# Altium PCB CalibradorDePlacas.PcbDoc (continued)
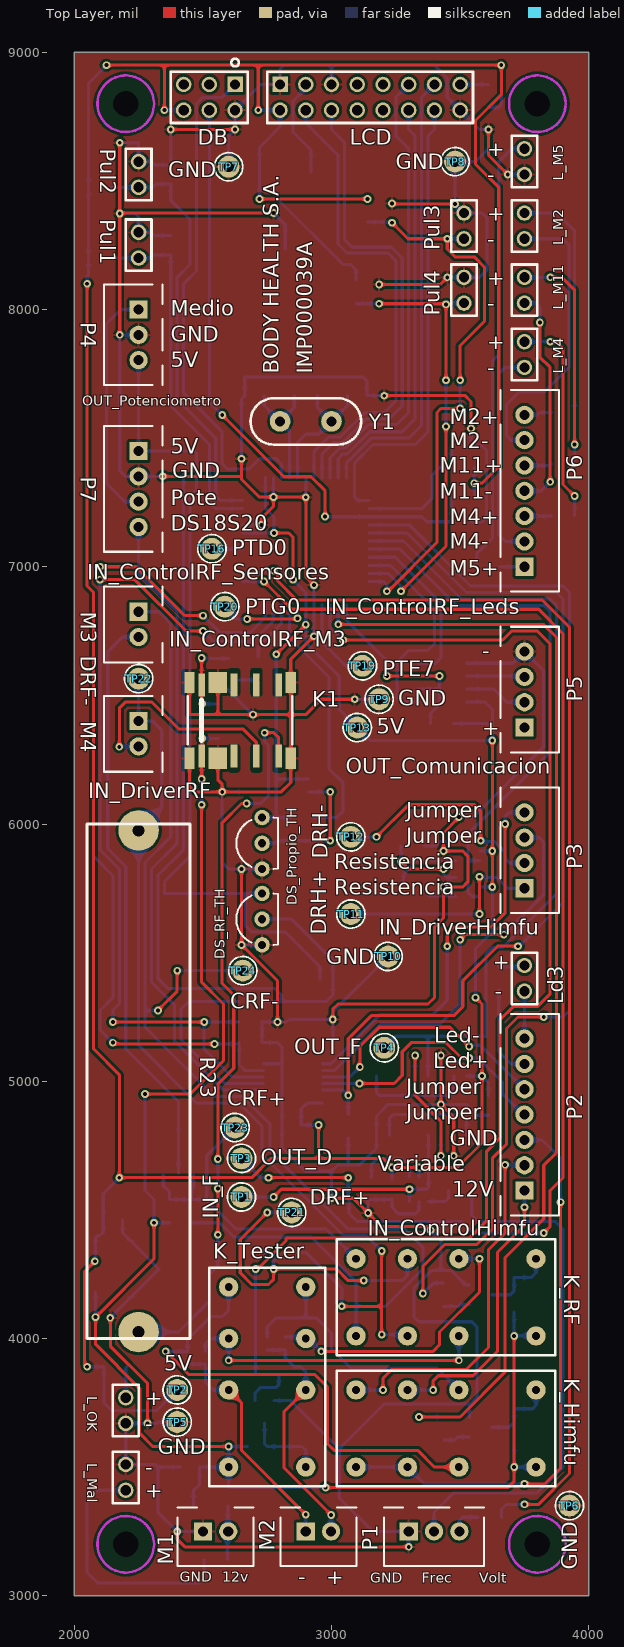
[diagram p0: Top Layer view]
## Nets (pads, with @x,y where several pads share a name; then routed paths per layer and width w, separated by ;. In a path a pad name is that pad's centre, name@x,y a point inside that pad or via, vN(x,y) a via of type N, cw(c..) or ccw(c..) an arc to the next point about the centre after c; other vN are vias at no path point) (continued)
  Bottom Layer w12: v1(2082.83,4082.83) U1.1 ; v3(2275,4950) 2275,4575 2310,4540 v1(2310,4450) R32.2 ; D1.2 2463.07,3408.07 2487.4,3432.4 C2.2 K_Tester.16 ; v1(2495,6075) 2495,6165 v1@2500,6170 ; v1(2496.93,6333.07) D6.2 ; D4.2 v1(2600,3580) K_Tester.16 ; v1(2977,3421) 2604,3421 2600,3425 K_Tester.16 ; D3.2 v1(3710,3500) K_Himfu.16 ; D2.2 v1(3710,4010) K_RF.16
-RE/DE: R15.1 U5.12 U6.2 U6.3 | length 917.7
  Top Layer w12: v1(3215,6575) v1(3420,6575)
  Bottom Layer w12: U5.12 3057.48,6792.52 3215,6635 v1(3215,6575) ; U6.2 3420,6525 ; U6.3 v1(3420,6575) 3420,6525 ; R15.1 3385,6430 3420,6465 3420,6525
BKGD: DB.1 U5.36 | length 1981.2
  Bottom Layer w12: DB.1 2575,8825 2500,8825 2475,8800 2475,8150 2425,8100 2425,7675 2575,7525 2575,7400 2595,7380 2680,7380 2720,7420 2785,7420 2805.51,7399.49 U5.36
CONTROL_RF_+: K_RF.8 R32.1 R33.2 TP23.1 U9.1 U9.3 | length 1350.3
  Bottom Layer w12: U9.3 2345.94,4594.06 2370,4570 R32.1 R33.2 ; U9.1 2464.06,4589.06 2455,4580 R33.2 ; TP23.1 2515,4710 2515,4540 ; K_RF.8 2980,4425 2630,4425 2515,4540 ; R33.2 2515,4540
CONTROL_RF_-: K_RF.9 M3.1 R33.1 TP24.1 | length 5092.1
  Top Layer w12: v1(2325,5275) 2400,5350 v1(2400,5430)
  Bottom Layer w12: M3.1 2330,6825 2375,6780 2375,5950 2275,5850 2275,5275 ; v1(2325,5275) 2275,5275 ; v1(2400,5430) TP24.1 ; R33.1 2565,4450 2620,4395 2920,4395 3094,4221 3094,4212.16 3095,4211.16 3095,4125 ; K_RF.9 3095,4125 ; 2275,5275 2275,5210 2545,4940 2655,4940 2760,4835 2760,4730 3065,4425 3285,4425 3355,4355 3355,4270 3210,4125 3095,4125
CONTROLHIMFU_CORTO_+: P2.4 U4.11 | length 1046.8
  Top Layer w12: v1(3108.5,4991.5) 3243.5,4991.5 3275,5023 3275,5115 3310,5150 3445,5150 3505,5090 v1(3535,5090)
  Bottom Layer w12: U4.11 v1(3108.5,4991.5) ; v1(3535,5090) 3570,5090 3665,4995 3665,4950 3744.72,4870.28 P2.4
CONTROLHIMFU_CORTO_-: P2.5 U4.10 | length 1015.9
  Top Layer w12: v1(3110,5055) 3110,5135 3185,5210 3460,5210 v1(3535,5135)
  Bottom Layer w12: U4.10 3072,5017 v1(3110,5055) ; v1(3535,5135) 3540,5140 3578.7,5140 P2.5
CONTROLRF_M2+: P6.7 R24.1 | length 108.9
  Bottom Layer w12: P6.7 3800.55,7590.55 3810,7600 R24.1
CONTROLRF_M2-: L_M2.2 P6.6 | length 1160
  Bottom Layer w12: P6.6 3697.87,7492.13 3680,7510 3680,7630 3730,7680 3828,7680 3923,7775 3923,8252 3900,8275 L_M2.2
CONTROLRF_M4+: P6.3 R26.1 | length 106.3
  Bottom Layer w12: P6.3 3851.85,7196.85 R26.1
CONTROLRF_M4-: L_M4.2 P6.2 | length 846.4
  Bottom Layer w12: P6.2 3676.57,7098.43 3650,7125 3650,7750 3675,7775 L_M4.2
CONTROLRF_M5+: P6.1 R22.1 | length 95
  Bottom Layer w12: R22.1 P6.1
CONTROLRF_M11+: P6.5 R25.1 | length 107.6
  Bottom Layer w12: P6.5 3848.7,7393.7 R25.1
CONTROLRF_M11-: L_M11.2 P6.4 | length 877.2
  Top Layer w12: v1(3810,7950) 3810,7815 3850,7775 v1(3850,7330)
  Bottom Layer w12: P6.4 3815.28,7295.28 v1(3850,7330) ; L_M11.2 3795,8025 3810,8010 v1(3810,7950)
CONTROLRF_SENSOR_+: R28.2 U4.4 | length 746.6
  Bottom Layer w12: R28.2 2445,5310 2415,5280 2415,5161.11 2584.61,4991.5 U4.4
CONTROLRF_SENSOR_-: P7.4 U4.3 | length 2563.8
  Bottom Layer w12: P7.4 2250,6975 2400,6825 2400,5925 2300,5825 2300,5385 2390,5295 2390,5155 2579,4966 U4.3
CONTROLRF_UC_POTENCIOMETRO: P4.1 P7.3 | length 922.5
  Bottom Layer w12: P7.3 2196.85,7253.15 2125,7325 2125,7945 2180,8000 P4.1
DB4: LCD.11 U5.42 | length 1773.1
  Bottom Layer w12: U5.42 2994.49,7424.49 3031,7461 3053.23,7461 3145.23,7553 3253,7553 3300,7600 3300,8625 3250,8675 3250,8825 LCD.11
DB5: LCD.12 U5.43 | length 1648.1
  Bottom Layer w12: U5.43 3025.98,7420.98 3044,7439 3062.34,7439 3148.34,7525 3275,7525 3325,7575 3325,8675 3300,8700 LCD.12
DB6: LCD.13 U5.44 | length 1755.8
  Bottom Layer w12: U5.44 3057.48,7402.48 3155,7500 3300,7500 3350,7550 3350,8825 LCD.13
DB7: LCD.14 U5.1 | length 1790.7
  Bottom Layer w12: U5.1 3102.52,7257.48 3090,7270 3090,7403.89 3161.11,7475 3325,7475 3375,7525 3375,8675 3400,8700 LCD.14
DRIVER_RF_+: C11.2 D5.2 K_RF.6 TP21.1 | length 1411.1
  Top Layer w12: v1(2750,4490) 2645,4385 2645,4255 2690,4210 2755,4210 2775,4230 v1(2775,4270) 3020,4270 3065,4225 v1(3125,4225)
  Bottom Layer w12: v1(2750,4490) TP21.1 ; C11.2 D5.2 2775,4335 v1(2775,4270) ; v1(3125,4225) 3275,4225 3295,4245 K_RF.6
DRIVER_RF_-: C11.1 K_RF.11 M4.1 R23.2 TP22.1 | length 3775.2
  Top Layer w12: v1(3040,4125) 3195,4125 ; v1(3195,4015) 3195,4125 ; v1(3195,4340) 3195,4125
  Bottom Layer w12: TP22.1 M4.1 2305,6400 2340,6365 2340,6065 R23.2 2250,5140 2475,4915 2640,4915 2730,4825 2730,4715 3045,4400 3135,4400 v1(3195,4340) ; C11.1 2900,4335 3040,4195 v1(3040,4125) ; v1(3195,4015) 3290,4015 K_RF.11
DRIVERHIMFU_JUMPER+: P3.3 U4.9 | length 1576.1
  Top Layer w12: v1(3500,5550) 3520,5570 v1(3670,5570)
  Bottom Layer w12: U4.9 3012.5,5042.5 3195,5225 3425,5225 3500,5300 v1(3500,5550) ; v1(3670,5570) 3825,5725 3825,5930 3808.15,5946.85 P3.3
DRIVERHIMFU_JUMPER-: P3.4 U4.8 | length 1561.8
  Top Layer w12: v1(3450,5525) 3450,5575 3475,5600 3620,5600 3675,5655 v1(3675,6000)
  Bottom Layer w12: U4.8 2998,5068 3190,5260 3395,5260 3450,5315 v1(3450,5525) ; v1(3675,6000) 3675,6030 3690.28,6045.28 P3.4
DRIVERHIMFU_R+: P3.1 TP11.1 U7.4 | length 838.2
  Top Layer w12: v1(3575,5650) v1(3575,5795)
  Bottom Layer w12: TP11.1 v1(3575,5650) ; v1(3575,5795) U7.4@3577,5793 ; U7.4 3643,5792 3685,5750 P3.1
DRIVERHIMFU_R-: P3.2 TP12.1 U8.4 | length 902.6
  Top Layer w12: v1(3175,5950) 3300,6075 3555,6075 3580,6050 v1(3580,5935)
  Bottom Layer w12: TP12.1 v1(3175,5950) ; v1(3580,5935) 3583,5932 3633,5932 3675,5890 3675,5865 3691.57,5848.43 P3.2
E: LCD.6 U5.41 | length 1834.9
  Bottom Layer w12: U5.41 2962.99,7437.99 3008,7483 3044.11,7483 3136.11,7575 3225,7575 3275,7625 3275,8200 3233,8242 3080,8242 3050,8272 3050,8650 3000,8700 LCD.6
GND: C1.2 C2.1 C3.1 C4.1 C5.2 C6.2 C7.1 C8.1 C9.1 C10.1 C12.1 C13.1 C14.1 C15.1 DB.2 DS_Propio_SMD.5 DS_Propio_TH.1 DS_RF_SMD.5 DS_RF_TH.1 K1.0 L_M5.2 L_Mal.1 L_OK.2 LCD.1 LCD.5 LCD.16 M1.1 P1.1 P4.2 P5.4 P7.2 Pul1.1 Pul2.1 Pul3.1 Pul4.1 Q1.2 Q2.2 Q3.2 Q4.2 R6.1 R7.1 R8.1 R29.3 TP5.1 TP6.1 TP7.1 TP8.1 TP9.1 TP10.1 U1.2 U2.2 U3.2 U3.8 U3.14 U4.7 U5.16 U5.30 U5.35 U5.39 U6.5 U7.2 U8.2 | length 25617.9
  Top Layer w12: v1(2140,4080) 2140,3970 2285,3825 v2(2285,3670) ; v1(2176.57,7901.57) v1(2176.57,8373.43) v1(2176.57,8648.43) ; v1@2178.15,8375 v1(2775,8375) ; v1(2343.43,7351.57) 2648.43,7351.57 ; v1(2375,8700) v1(2625,8700) ; v1(2400,3250) 2400,3220 2430,3190 v1(3300,3190) ; K1.0@2447.76,6255.16 2447.76,6147.24 2470,6125 v1(2575,6125) ; K1.0@2447.76,6550.43 2447.76,6425 2557.99,6425 ; K1.0@2557.99,6255.16 2557.99,6172.01 2575,6155 v1(2575,6125) ; K1.0@2557.99,6550.43 2557.99,6425 ; v1(2650,5825) v1(2650,5530) 2790,5390 v1(2790,5230) ; v1(2650,7420) 2650,7340 2719.02,7270.98 v1(2774.02,7270.98) ; v1(2727.99,7162.99) 2727.99,7187.99 2774.02,7234.02 v1(2774.02,7270.98) ; v1(2931.5,6730) 2841.46,6639.96 2841.46,6550.43 2841.46,6425 ; v1(2931.5,6928.5) 2900,6960 v1(2900,7270) 2899.02,7270.98 v1(2774.02,7270.98) ; v1(3000,4545) 3085,4545 v1(3142.4,4487.6) 3195,4435 3370,4435 3384,4421 v1(3385,4421) ; v1(3005,5240) 3005,5280 3025,5300 3375,5300 3400,5325 3400,5600 3435,5635 v1(3435,5755) 3510,5755 3530,5775 3530,5875 3510,5895 v1(3435,5895) 3435,5965 3495,6025 v1(3495,6027.5) ; v1(3090,6485) 2960,6485 2900,6425 2841.46,6425 ; v1(3185,8097.4) 3422.4,8097.4 v1(3450,8125) ; v1(3205,7665) 3520,7665 3542.4,7642.6 v1(3542.4,7537.6) ; v1(3235,8412.4) 3237.4,8410 v1(3480,8410) ; v1(3425,5100) v1(3425,4910) 3475,4860 v1(3475,4710) ; v1(3610,8700) 3610,8600 v1(3685,8525) ; 2557.99,6425 v1(2695,6425) 2841.46,6425 ; v1(2575,6125) 2805,6125 2841.46,6161.46 2841.46,6255.16 2841.46,6425
  Bottom Layer w12: v1(2140,4080) U1.2@2328.9,4268.9 ; v1(2176.57,8373.43) 2236.57,8373.43 2250,8360 Pul1.1 2300,8300 2312.6,8287.4 C12.1 ; v1(2176.57,8648.43) 2248.43,8648.43 ; C3.1 2187.4,4411.5 U1.2 ; P4.2 v1(2176.57,7901.57) 2176.57,7373.43 2198.43,7351.57 P7.2 v1(2343.43,7351.57) ; 2250,8650 Pul2.1 2300,8575 2312.6,8562.4 C13.1 v1(2375,8700) ; TP5.1 2325,3675 2320,3670 v2(2285,3670) L_OK.2 L_Mal.1 2315,3510 2325,3500 ; C2.1 2325,3500 ; M1.1 v1(2400,3250) 2325,3325 2325,3500 ; Q4.2 2694.29,6425 v1(2695,6425) ; TP7.1 2600,8675 v1(2625,8700) DB.2 2725,8875 LCD.1 2800,8935 2815,8950 3400,8950 3450,8900 3450,8825 LCD.16 3575,8700 v1(3610,8700) 3610,8625 3560,8575 TP8.1 v1(3480,8410) Pul3.1 3585,8375 3605,8355 3605,8155 3575,8125 Pul4.1 v1(3450,8125) ; v1(2650,5530) DS_RF_TH.1 ; v1(2650,7420) 2650,7652.4 C9.1 2662.6,7737.4 3122.6,7737.4 3137.4,7722.6 C10.1 v1(3205,7665) ; U5.30 v1(2727.99,7162.99) ; DS_Propio_SMD.5 v1(2575,6125) 2575,5850 2600,5825 v1(2650,5825) DS_Propio_TH.1 ; U4.7 2805.6,5068 ; v1(2774.02,7270.98) U5.35 ; v1(2775,8375) 2820,8330 R29.3 ; Q1.2 2841.69,3758.31 3030,3570 ; v1(2900,7270) U5.39 ; v1(2931.5,6730) U5.16 v1(2931.5,6928.5) ; v1(3000,4545) 3000,4650 ; LCD.5 3000,8950 ; DS_RF_SMD.5 v1(3005,5240) ; R6.1 3065,4677.5 3067.5,4675 ; v1(3090,6485) TP9.1 ; v1(3142.4,4487.6) C4.1 3232.4,4540 C1.2 3235,4510 3260,4485 3326,4485 3340,4499 U2.2 ; TP10.1 3005,5270 v1(3005,5240) ; v1(3300,3190) P1.1 3160,3250 3030,3380 3030,3570 ; v1(3385,4421) 3425,4381 3425,4265 ; U3.14 v1(3425,5100) ; v1(3435,5755) U7.2 ; v1(3435,5895) U8.2 ; v1(3475,4710) U3.2 ; v1(3495,6027.5) 3552.5,6027.5 3825,6300 3825,6595.28 P5.4 3704.72,6625 U6.5 ; Q2.2 3536.69,3741.69 ; Q3.2 3521.94,4207.4 3464.34,4265 3425,4265 ; C8.1 3585,7175 3603,7193 3603,7452 3585,7470 C7.1 v1(3542.4,7537.6) ; C5.2 3567.4,4867.6 3525,4910 v1(3425,4910) 3220,4910 3175,4865 U3.8 3175,4740 3110,4675 3067.5,4675 ; v1(3685,8525) L_M5.2 ; 3000,4650 2900,4650 2807.6,4742.4 C6.2 2807.6,5132.4 2790,5150 R7.1 R8.1 v1(2790,5230) 2825,5230 2835,5240 v1(3005,5240) ; 3000,4650 3025,4675 3067.5,4675 ; 3030,3570 3205,3745 3540,3745 3565,3770 3565,4045 3545,4065 3340,4065 3320,4085 3320,4195 3390,4265 3425,4265
HIMFU_12V_+: K_Himfu.6 P2.1 | length 1101.1
  Top Layer w12: v1(3395,3800) 3395,3835 3415,3855 3550,3855 3645,3950 3645,4335 3750,4440 v1(3750,4510)
  Bottom Layer w12: K_Himfu.6 v1(3395,3800) ; v1(3750,4510) P2.1
HIMFU_-: K_Himfu.9 K_Himfu.11 P2.3 | length 2221.5
  Top Layer w12: v1(3750,3435) 3830,3435 3890,3495 v1(3890,4530)
  Bottom Layer w12: K_Himfu.9 K_Himfu.11 3360,3435 v1(3750,3435) ; P2.3 3818.15,4771.85 3890,4700 v1(3890,4530)
HIMFU_LED_+: P2.6 R14.2 | length 359.8
  Bottom Layer w12: R14.2 3650,5115 3697.87,5067.13 P2.6
HIMFU_LED_-: Ld3.2 P2.7 | length 184.4
  Bottom Layer w12: P2.7 Ld3.2
HIMFU_VARIABLE_+: K_Himfu.8 P2.2 | length 1425.1
  Top Layer w12: v1(3200,3800) 3200,3845 3235,3880 3525,3880 3610,3965 3610,4345 3675,4410 3675,4465 ; 3675,4460 v1(3675,4675)
  Bottom Layer w12: K_Himfu.8 v1(3200,3800) ; v1(3675,4675) P2.2@3748.43,4675
NetC7_2: C7.2 R16.1 U5.2 | length 523.6
  Bottom Layer w12: U5.2 3350.98,7225.98 3390,7265 3390,7355 3420,7385 R16.1 3465,7467.4 C7.2
NetC8_2: C8.2 DB.4 R17.1 U5.3 | length 2424.9
  Top Layer w12: v1(2575,7590) 2815,7350 2920,7350 2975,7295 v1(2975,7195)
  Bottom Layer w12: DB.4 2525,7640 v1(2575,7590) ; v1(2975,7195) 2975.51,7194.49 U5.3 3350.51,7194.49 3370,7175 C8.2 3465,7177.6 R17.1
NetC9_2: C9.2 R19.2 U5.37 Y1.2 | length 483
  Bottom Layer w12: C9.2 2737.4,7627.6 Y1.2 ; U5.37 2837.01,7527.99 Y1.2 ; R19.2 2855,7620 Y1.2
NetC10_2: C10.2 R19.1 U5.38 Y1.1 | length 551.4
  Bottom Layer w12: U5.38 2868.5,7483.5 2900,7515 2950,7515 Y1.1 ; R19.1 2945,7620 Y1.1 ; C10.2 3062.6,7627.6 Y1.1
NetD5_1: D5.1 K1.4 R23.1 | length 2850.4
  Top Layer w12: v1(2558.07,4403.07) v1(2558.07,4583.07) ; v1(2558.07,4698.07) 2558.07,4988.07 2620,5050 2620,5335 2575,5380 2575,6005 2650,6080 v1(2670,6080) ; v1(2740,6355) 2775,6355 2794.21,6335.79 K1.4
  Bottom Layer w12: R23.1 2405,4025 2525,4145 2525,4250 2558.07,4283.07 D5.1 v1(2558.07,4403.07) ; v1(2558.07,4583.07) v1(2558.07,4698.07) ; v1(2670,6080) 2725,6080 2755,6110 2755,6305 2740,6320 v1(2740,6355)
NetD6_1: D6.1 K1.8 Q4.3 | length 347.6
  Top Layer w12: v1(2495,6645) K1.8 2495,6468.86 v1(2496.93,6466.93)
  Bottom Layer w12: v1(2495,6645) 2496.69,6643.31 Q4.3 ; v1(2496.93,6466.93) D6.1
NetDS_Propio_SMD_4: DS_Propio_SMD.4 DS_Propio_TH.2 R20.1 R21.1 | length 544.1
  Top Layer w12: v1(2995,5935) v1(2995,6125)
  Bottom Layer w12: DS_Propio_TH.2 2780,5925 2790,5935 R20.1 R21.1 v1(2995,5935) ; DS_Propio_SMD.4 v1(2995,6125)
NetDS_RF_SMD_4: DS_RF_SMD.4 DS_RF_TH.2 R27.1 R28.1 | length 3295
  Bottom Layer w12: R27.1 2425,5900 2325,5800 2325,5400 2365,5360 2780,5360 2805,5335 2805,5310 ; R28.1 2805,5310 ; DS_RF_TH.2 2845,5630 3005,5470 DS_RF_SMD.4 3005,5335 2980,5310 2805,5310
NetK1_3: K1.3 M4.2 | length 886.3
  Top Layer w12: v1(2175,6300) 2175,6450 2200,6475 2300,6475 2405,6370 2655,6370 2707.6,6317.4 K1.3
  Bottom Layer w12: v1(2175,6300) 2176.57,6301.57 M4.2
NetL_M2_1: L_M2.1 R24.2 | length 929
  Bottom Layer w12: L_M2.1 3875,8375 3945,8305 R24.2
NetL_M4_1: L_M4.1 R26.2 | length 829
  Top Layer w12: v1(3850,7875) 3875,7875 3900,7850 3900,7320 v1(3945,7275)
  Bottom Layer w12: L_M4.1 v1(3850,7875) ; R26.2 v1(3945,7275)
NetL_M5_1: L_M5.1 R22.2 | length 1730.9
  Bottom Layer w12: R22.2 3565,7050 3625,7110 3625,7800 3650,7825 3650,8575 3700,8625 L_M5.1
NetL_M11_1: L_M11.1 R25.2 | length 890.7
  Top Layer w12: v1(3850,8125) 3895,8125 3945,8075 v1(3945,7475)
  Bottom Layer w12: L_M11.1 v1(3850,8125) ; R25.2 v1(3945,7475)
NetL_Mal_2: L_Mal.2 R2.1 | length 999.4
  Bottom Layer w12: L_Mal.2 2090,3410 2050,3370 2050,3090 2090,3050 2490,3050 2505,3065 R2.1
NetL_OK_1: L_OK.1 R3.1 | length 129.1
  Bottom Layer w12: L_OK.1@2205,3775 L_OK.1 2200,3885 R3.1
NetLCD_15: LCD.15 R18.2 | length 110
  Bottom Layer w12: LCD.15 R18.2
NetLd3_1: Ld3.1 R14.1 | length 102.1
  Bottom Layer w12: R14.1 3745,5445 Ld3.1
NetM3_2: M3.2 U9.2 | length 2283.1
  Bottom Layer w12: M3.2 2186.57,6726.57 2130,6670 2130,5905 2200,5835 2200,5125 2405,4920 U9.2@2405,4744.63 ; U9.2@2405,4644.23 U9.2@2405,4744.62
NetP1_2: P1.2 R4.1 | length 2045.9
  Bottom Layer w12: P1.2 3398.43,3323.43 3475,3400 3800,3400 3900,3500 3900,4425 3870,4455 3570,4455 3545,4480 R4.1
NetP1_3: P1.3 R1.1 | length 120.4
  Bottom Layer w12: P1.3 3496.85,3291.85 3510,3305 R1.1
NetP5_2: P5.2 U6.7 | length 246.9
  Bottom Layer w12: U6.7 3630,6525 3681.57,6473.43 P5.2
NetP5_3: P5.3 U6.6 | length 226.8
  Bottom Layer w12: U6.6 3746.85,6575 P5.3
NetQ1_1: Q1.1 R9.2 | length 175.1
  Bottom Layer w12: Q1.1 2702.6,3787.6 2725,3810 2785,3810 2795,3820 R9.2
NetQ2_1: Q2.1 R10.2 | length 106.9
  Bottom Layer w12: R10.2 3480,3605 3492.6,3617.6 Q2.1
NetQ3_1: Q3.1 R11.2 | length 104.8
  Bottom Layer w12: R11.2 3495,4125 3502.6,4132.6 Q3.1
NetQ4_1: Q4.1 R34.2 | length 74.3
  Bottom Layer w12: Q4.1@2640.71,6560 R34.2
NetR4_2: R4.2 U2.1 | length 113
  Bottom Layer w12: U2.1 3443,4533 3455,4545 R4.2
NetR5_1: R5.1 U2.4 | length 262
  Bottom Layer w12: R5.1 3155,4675 3180,4700 3270,4700 3303,4667 U2.4
NetR12_1: R12.1 U8.3 | length 130
  Bottom Layer w12: R12.1 3405,5915 3422,5932 U8.3
NetR12_2: R12.2 U7.3 | length 310.8
  Top Layer w12: v1(3270,5855) 3300,5825 v1(3435,5825)
  Bottom Layer w12: v1(3270,5855) R12.2 ; v1(3435,5825) 3435,5805 3448,5792 U7.3
NetR13_1: R13.1 U7.1 | length 158
  Bottom Layer w12: R13.1 3370,5730 3380,5720 3481,5720 U7.1
NetR13_2: R13.2 U8.1 | length 260
  Bottom Layer w12: R13.2 3280,5805 3333,5858 U8.1
NetTP1_1: TP1.1 U2.3 U2.6 U3.4 | length 993.2
  Top Layer w12: v1(2775,4550) 2805,4580 v1(3303,4580)
  Bottom Layer w12: TP1.1 v1(2775,4550) ; U2.3 v1(3303,4580) 3370,4580 3377,4587 U2.6 3377,4788 U3.4
NetTP16_1: TP16.1 U5.27 | length 117.4
  Bottom Layer w12: TP16.1@2536.5,7068.5 U5.27
NetTP19_1: TP19.1 U5.15 | length 342
  Bottom Layer w12: U5.15 2962.99,6707.01 3055,6615 TP19.1
NetTP20_1: TP20.1 U5.18 | length 360
  Top Layer w12: v1(2671.99,6796.99) 2868.01,6796.99 v1(2868.01,6799.58)
  Bottom Layer w12: TP20.1 2633.01,6796.99 v1(2671.99,6796.99) ; v1(2868.01,6799.58) 2868.5,6800.07 U5.18
NetU3_1: U3.1 U3.7 | length 442.4
  Bottom Layer w12: U3.7 3225,4855 3240,4870 3510,4870 3525,4855 U3.1
NetU3_3: U3.3 U3.12 | length 591.4
  Top Layer w12: v1(3325,5100) 3325,4945 3425,4845 v1(3425,4710)
  Bottom Layer w12: U3.12 v1(3325,5100) ; v1(3425,4710) U3.3
NetU3_9: U3.9 U3.15 | length 435.4
  Bottom Layer w12: U3.9 3175,4955 3185,4945 3460,4945 3475,4960 U3.15
RS: LCD.4 U5.40 | length 1869.9
  Bottom Layer w12: LCD.4 2900,8725 3025,8600 3025,8255 3060,8220 3220,8220 3250,8190 3250,7645 3205,7600 3130,7600 3035,7505 2990,7505 2931.5,7446.5 U5.40
RX: U5.9 U6.1 | length 860.3
  Bottom Layer w12: U5.9 3229.49,7005.51 3400,6835 3400,6700 3375,6675 3300,6675 3255,6630 3255,6490 3270,6475 U6.1
SALIDA_HIMFU_+: K_Himfu.4 K_Tester.8 W_Himfu+1.2 | length 1070.6
  Bottom Layer w12: W_Himfu+1.2@2750,4005 2750,4045 2785,4080 2900,4080 ; K_Tester.8 2900,4080 ; K_Himfu.4 3410,3885 3075,3885 3000,3960 3000,4020 2940,4080 2900,4080
SALIDA_HIMFU_-: K_Himfu.13 K_Tester.9 W_Himfu-1.2 | length 1882.9
  Top Layer w12: v1(2355,3950) 2445,3860 2935,3860 2985,3810 2985,3590 3010,3565 3335,3565 3400,3500 K_Himfu.13
  Bottom Layer w12: v1(2355,3950) 2440,3950 2440,3995 2530,4085 2575,4085 2600,4110 K_Tester.9
SALIDA_RF_+: K_RF.4 K_Tester.6 W_RF+1.2 | length 1105.3
  Top Layer w12: v1(2960,3950) 3395,3950 3420,3975 3420,4025 3575,4180 v1(3575,4310)
  Bottom Layer w12: W_RF+1.2@2820,4005 K_Tester.6@2895,4005 ; K_Tester.6 2910,4000 v1(2960,3950) ; K_RF.4 v1(3575,4310)
SALIDA_RF_-: K_RF.13 K_Tester.11 W_RF-1.2 | length 1203.3
  Top Layer w12: v1(2600,3915) v1(3495,3915)
  Bottom Layer w12: W_RF-1.2@2510,3950 2510,3980 2530,4000 K_Tester.11 v1(2600,3915) ; v1(3495,3915) K_RF.13
SELECCIONAR_EN_HIMFU: D3.1 K_Himfu.1 Q2.3 | length 297.3
  Bottom Layer w12: Q2.3 3690,3655 3710,3675 D3.1 3781.93,3726.93 3795,3740 K_Himfu.1
SELECCIONAR_EN_RF: D2.1 K_RF.1 Q3.3 | length 292.3
  Bottom Layer w12: Q3.3 3695,4170 3710,4185 D2.1 3776.93,4236.93 3795,4255 K_RF.1
SELECCIONAR_RF_O_HIMFU: D4.1 K_Tester.1 Q1.3 | length 317
  Bottom Layer w12: Q1.3 2740,3590 2750,3580 D4.1 2885,3580 2900,3565 K_Tester.1
SENSOR: R21.2 U5.19 | length 1020.4
  Bottom Layer w12: U5.19 2837.01,6722.99 2990,6570 2990,6215 3045,6160 3045,6050 3020,6025 R21.2
TESTER_+: K_Tester.4 M2.2 W_Himfu+1.1 W_RF+1.1 | length 934
  Top Layer w12: K_Tester.4 2815,3715 2815,3496.85 v1(2998.43,3313.43)
  Bottom Layer w12: W_Himfu+1.1@2750,3955 2820,3955 2820,3925 2855,3890 2880,3890 2900,3870 K_Tester.4 ; M2.2 v1(2998.43,3313.43)
TESTER_-: K_Tester.13 M2.1 W_Himfu-1.1 W_RF-1.1 | length 916.7
  Top Layer w12: K_Tester.13 2650,3750 2650,3565 v1(2900,3315)
  Bottom Layer w12: W_Himfu-1.1@2440,3900 2510,3900 2510,3830 2540,3800 K_Tester.13 ; M2.1 v1(2900,3315)
TX: U5.8 U6.4 | length 665
  Bottom Layer w12: U5.8 3247.99,7037.01 3425,6860 3425,6645 3405,6625 U6.4
UC_CONTROLHIMFU_JUMPER: R6.2 U4.12 U5.5 | length 3557
  Top Layer w12: v1(3065,4945) 3065,5165 3155,5255 3475,5255 3510,5290 3510,5390 3645,5525 v1(3725,5525)
  Bottom Layer w12: U4.12 3044,4966 v1(3065,4945) R6.2 ; U5.5 3293.5,7131.5 3525,6900 3875,6900 3900,6875 3900,5695 3730,5525 v1(3725,5525)
UC_CONTROLRF_JUMPER_SENSOR: R8.2 U4.5 U5.21 | length 3502.2
  Top Layer w12: v1(2100,6950) 2235,6950 2435,6750 v1(2500,6750) ; v1(2150,5230) v1(2505,5230)
  Bottom Layer w12: v1(2100,6950) 2100,5900 2175,5825 2175,5300 2150,5275 v1(2150,5230) ; v1(2500,6750) 2540,6710 2695,6710 2774.02,6789.02 U5.21 ; R8.2 v1(2505,5230) 2505,5125 2613,5017 U4.5
UC_DRIVERHIMFU_JUMPER: R7.2 U4.6 U5.22 | length 3475
  Top Layer w12: v1(2100,7000) 2240,7000 2430,6810 v1(2500,6810) ; v1(2150,5150) 2155,5145 v1(2545,5145)
  Bottom Layer w12: v1(2100,7000) 2075,7000 2050,6975 2050,6925 2075,6900 2075,5875 2150,5800 2150,5325 2100,5275 2100,5200 v1(2150,5150) ; v1(2500,6810) 2565,6745 2685,6745 2742.52,6802.52 U5.22 ; v1(2545,5145) 2635,5145 R7.2 2640,5065 2662.5,5042.5 U4.6
UC_DUTY: C4.2 R5.2 TP3.1 U5.23 | length 5065.2
  Top Layer w12: v1(2737.48,6942.52) 2845,6835 3805,6835 3900,6740 3900,4625 3850,4575 3850,4435 v1(3825,4410) ; v1(2755,4625) v1(3065,4625)
  Bottom Layer w12: TP3.1 2725,4625 v1(2755,4625) ; U5.23 v1(2737.48,6942.52) ; v1(3065,4625) 3065,4542.6 C4.2 3067.6,4487.4 3100,4455 3505,4455 3550,4410 v1(3825,4410)
UC_EN_HIMFU: R11.1 U5.4 | length 4121.3
  Top Layer w12: v1(3355,4175) 3355,4280 3440,4365 3565,4365 3625,4425 3625,4700 3680,4755 3680,5205 3725,5250 v1(3825,5250)
  Bottom Layer w12: U5.4 3302.01,7162.99 3540,6925 3900,6925 3925,6900 3925,5275 3900,5250 v1(3825,5250) ; v1(3355,4175) 3395,4215 R11.1
UC_EN_RF: R10.1 U5.13 | length 4387
  Top Layer w12: v1(3025.98,6775.98) 3824.02,6775.98 ; v1(3340,3695) 3500,3695 3675,3870 3675,4315 3825,4465 3825,4673 3875,4723 3875,6725 3825,6775
  Bottom Layer w12: v1(3025.98,6775.98) U5.13 ; v1(3340,3695) R10.1
UC_FRECUENCIA: TP4.1 U3.13 U5.6 | length 3213.5
  Bottom Layer w12: U5.6 3280,7100 3505,6875 3850,6875 3875,6850 3875,5730 3665,5520 3625,5520 3600,5495 3600,5175 3375,5175 ; TP4.1 3250,5175 3375,5175 ; U3.13 3375,5175
UC_PULSADOR_A: C13.2 Pul2.2 R31.1 U5.33 | length 1672.9
  Bottom Layer w12: R31.1 Pul2.2 2305,8475 2317.6,8487.6 C13.2 2375,8425 2450,8350 2450,8175 2400,8125 2400,7650 2550,7500 2550,7275 2567.52,7257.48 U5.33
UC_PULSADOR_B: C12.2 Pul1.2 R30.1 U5.32 | length 1398.8
  Bottom Layer w12: R30.1 Pul1.2 2300,8200 2312.6,8212.6 C12.2 2375,7625 2525,7475 2525,7250 2549.02,7225.98 U5.32
UC_PULSADOR_C: C14.2 Pul3.2 R35.1 U5.11 | length 2179.3
  Top Layer w12: v1(3215,6905) 3220,6905 3410,7095 3410,7600 3425,7615 v1(3500,7615) ; v1(3235,8337.6) 3297.6,8275 v1(3450,8275) 3450,8235 3480,8205 3555,8205 3595,8165 3595,7955 3500,7860 v1(3500,7725)
  Bottom Layer w12: R35.1 3232.6,8340 v1(3235,8337.6) ; U5.11 3202.48,6942.52 3215,6930 v1(3215,6905) ; v1(3450,8275) Pul3.2 ; v1(3500,7615) v1(3500,7725)
UC_PULSADOR_D: C15.2 Pul4.2 R36.1 U5.10 | length 1772.5
  Top Layer w12: v1(3185,8022.6) 3442.4,8022.6 v1(3445,8020) v1(3445,7725) ; v1(3270,6905) 3445,7080 v1(3445,7545)
  Bottom Layer w12: R36.1@3097.4,8022.6 v1(3185,8022.6) ; U5.10 3220.98,6974.02 3270,6925 v1(3270,6905) ; v1(3445,7545) v1(3445,7725) ; v1(3445,8020) 3450,8025 Pul4.2
UC_RF_O_HIMFU: R9.1 U5.14 | length 4790.9
  Top Layer w12: v1(2705,4270) 2712.73,4270 2823.5,4380.77 2823.5,4388.5 2825,4390 3535,4390 3603,4458 3603,4728 3655,4780 3655,5239 3706,5290 3800,5290 3850,5340 3850,6700 3800,6750 3700,6750 3665,6715 v1(3045,6715)
  Bottom Layer w12: R9.1 v1(2705,4270) ; U5.14 2994.49,6763.64 3043.13,6715 v1(3045,6715)
UC_RF_RESISTENCIA: R34.1 U5.20 | length 241.4
  Bottom Layer w12: R34.1 2715,6690 2805.51,6780.51 U5.20
UC_SELECCION_2K100: U5.7 U7.6 U8.6 | length 2128.4
  Bottom Layer w12: U5.7 3266.5,7068.5 3485,6850 3825,6850 3850,6825 3850,6280 3530,5960 3530,5858 ; U7.6 3547,5718 3530,5735 3530,5858 ; U8.6 3530,5858
UC_TENSIONVARIABLE: R1.2 U5.24 | length 5024.4
  Top Layer w12: v1(2775,6985) 2790,6970 2790,6945 2865,6870 3820,6870 3925,6765 3925,3475 3805,3355 v1(3750,3355)
  Bottom Layer w12: U5.24 2729.02,6974.02 2740,6985 v1(2775,6985) ; R1.2 3660,3335 3680,3355 v1(3750,3355)
VO: LCD.3 R29.2 | length 389.7
  Bottom Layer w12: LCD.3 2900,8860 2850,8810 2850,8690 2920,8620 R29.2
pads on no net: DB.3 DB.5 DS_Propio_SMD.1 DS_Propio_SMD.2 DS_Propio_SMD.6 DS_Propio_SMD.7 DS_Propio_SMD.8 DS_RF_SMD.1 DS_RF_SMD.2 DS_RF_SMD.6 DS_RF_SMD.7 DS_RF_SMD.8 K1.2 K1.5 K1.6 K1.7 LCD.7 LCD.8 LCD.9 LCD.10 P5.1 U3.5 U3.6 U3.10 U3.11 U4.1 U4.2 U4.13 U5.25 U5.26 U5.28 U5.31

## Polygon pours and split planes (outlines as drawn)
GND on Top Layer "Top Layer - GND" (solid, remove dead copper, pour order 4): 2000,3000 4000,3000 4000,9000 2000,9000
GND on Bottom Layer "Bottom Layer - GND" (solid, remove dead copper, pour order 5): 2000,3000 4000,3000 4000,9000 2000,9000

## Keep-outs
Keep-Out Layer:
  circle w10: c2200,8800 r110
  circle w10: c3800,8800 r110
  circle w10: c3800,3200 r110
  circle w10: c2200,3200 r110

## Silkscreen, mask and mechanical layers (free items; w line width, h text height)
Top Overlay:
  text "+" at 3605,8595 h60
  text "-" at 3605,8495 h60
  text "+" at 3605,8345 h60
  text "-" at 3605,8245 h60
  text "+" at 3605,8095 h60
  text "-" at 3605,7995 h60
  text "Medio" at 2375,7975 h60
  text "GND" at 2375,7875 h60
  text "+" at 3605,7845 h60
  text "5V" at 2375,7775 h60
  text "BODY HEALTH S.A." at 2795,7750 h60 r90
  text "IMP000039A" at 2925,7750 h60 r90
  text "-" at 3605,7745 h60
  text "M2+" at 3460,7555 h60
  text "M2-" at 3460,7460 h60
  text "5V" at 2375,7440 h60
  text "M11+" at 3420,7365 h60
  text "GND" at 2380,7345 h60
  text "M11-" at 3420,7265 h60
  text "Pote" at 2375,7240 h60
  text "M4+" at 3460,7165 h60
  text "DS18S20" at 2375,7140 h60
  text "M4-" at 3460,7070 h60
  text "M5+" at 3460,6965 h60
  text "-" at 3585,6645 h60
  text "+" at 3585,6345 h60
  text "Jumper" at 3290,6025 h60
  text "Jumper" at 3290,5925 h60
  text "Resistencia" at 3010,5825 h60
  text "Resistencia" at 3010,5725 h60
  text "+" at 3685,5425 h60 r90
  text "-" at 3635,5320 h60
  text "Led-" at 3400,5150 h60
  text "Led+" at 3395,5050 h60
  text "Jumper" at 3290,4950 h60
  text "Jumper" at 3290,4850 h60
  text "GND" at 3460,4750 h60
  text "Variable" at 3180,4650 h60
  text "12V" at 3470,4550 h60
  text "+" at 2275,3740 h60
  text "-" at 2275,3640 h60
  text "-" at 2275,3470 h60
  text "+" at 2275,3380 h60
  text "GND" at 2410,3055 h40
  text "12v" at 2575,3055 h40
  text "GND" at 3150,3050 h40
  text "Frec" at 3350,3050 h40
  text "Volt" at 3575,3050 h40
  text "-" at 2870,3045 h60
  text "+" at 2980,3045 h60
Bottom Overlay:
  text "CALIBRADOR DE PLACAS 1.0" at 2055,6445 h60 r270
Drill Drawing:
  text ".LEGEND" at 4200,3200 h60
  text "Drill Drawing." at 4200,3100 h60